# Allegro board POWERBOARD_V1_11_20240516.brd (continued)
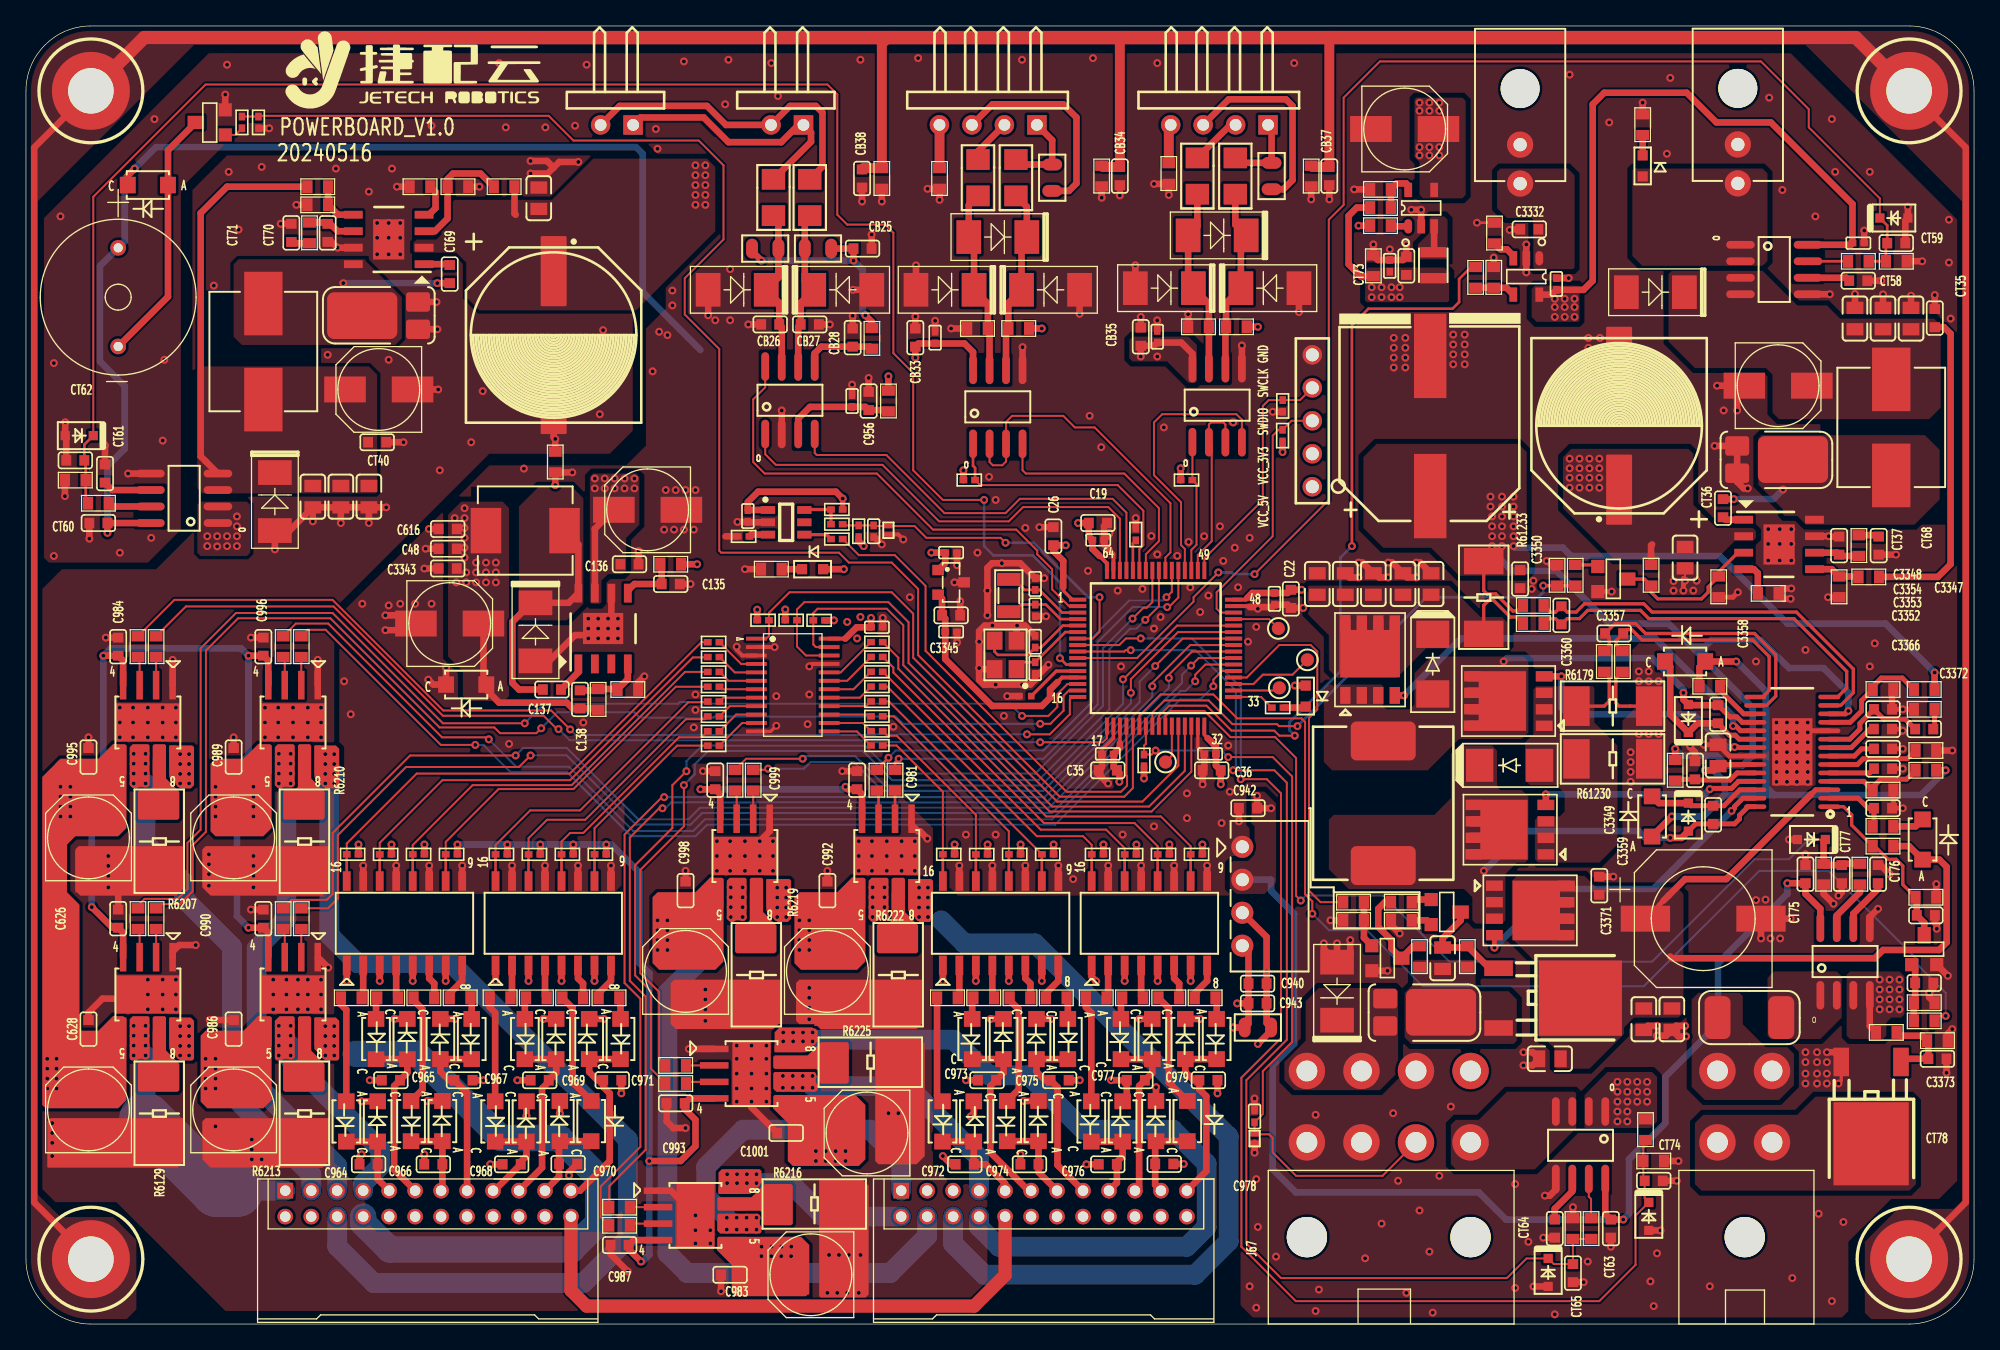
[diagram p0: board, top side]
## Footprints (pads in the part's own frame, mm; a bottom-side part is the same pattern mirrored in y, then rotated)
B0505S-1WR3
  round 1.7 hole 1: 1(-3.81,0) 2(-1.27,0) 3(1.27,0) 4(3.81,0)
BEEPER12X7P6
  round 1.2 hole 0.7: 1(0,3.8) 2(0,-3.8)
C0402
  rect 0.599x0.5 smd: 1(-0.452,0) 2(0.452,0)
C0603
  rect 0.762x0.813 smd: 1(-0.698,0) 2(0.698,0)
C0805
  rect 0.95x1.3 smd: 1(-0.825,0) 2(0.825,0)
CSMT_12P5_12P5
  custom 5.4x2 smd: 1(-4.925,0) 2(4.925,0)
DFN8_5X6
  rect 0.8x1.3 smd: 1(-1.905,-3.65) 2(-0.635,-3.65) 3(0.635,-3.65) 4(1.905,-3.65) 5(-1.899,1.9) 6(-0.629,1.872) 7(0.641,1.872) 8(1.906,1.872)
  custom 4.6x4.501 smd: 9(0.001,0)
DFN1006
  rect 0.35x0.65 smd: 1(-0.325,0) 2(0.325,0)
ELQ3H7_TA
  rect 1.5x0.6 smd: 1(-3.25,4.445) 2(-3.25,3.175) 3(-3.25,1.905) 4(-3.25,0.635) 5(-3.25,-0.635) 6(-3.25,-1.905) 7(-3.25,-3.175) 8(-3.25,-4.445) 9(3.25,-4.445) 10(3.25,-3.175) 11(3.25,-1.905) 12(3.25,-0.635) 13(3.25,0.635) 14(3.25,1.905) 15(3.25,3.175) 16(3.25,4.445)
FB0402
  rect 0.508x0.508 smd: 1(-0.457,0) 2(0.457,0)
FUSE1206
  rect 1.6x1.801 smd: 1(-1.4,0) 2(1.4,0)
HSOP-8-EP
  rect 0.5x2.2 smd: 1(-1.905,-2.875) 2(-0.635,-2.875) 3(0.635,-2.875) 4(1.905,-2.875) 5(1.905,2.875) 6(0.635,2.875) 7(-0.635,2.875) 8(-1.905,2.875)
  rect 4.9x2.95 smd: 9(0,0)
HTSSOP28
  oval 0.35x1.7 smd: 1(0,0) 2(0.65,0) 3(1.3,0) 4(1.95,0) 5(2.6,0) 6(3.25,0) 7(3.9,0) 8(4.55,0) 9(5.2,0) 10(5.85,0) 11(6.5,0) 12(7.15,0) 13(7.8,0) 14(8.45,0) 15(8.45,5.7) 16(7.8,5.7) 17(7.15,5.7) 18(6.5,5.7) 19(5.85,5.7) 20(5.2,5.7) 21(4.55,5.7) 22(3.9,5.7) 23(3.25,5.7) 24(2.6,5.7) 25(1.95,5.7) 26(1.3,5.7) 27(0.65,5.7) 28(0,5.7)
  rect 5.18x3.1 smd: 29(4.225,2.85)
HX30002-2WA
  round 3 hole 3 unplated: (0,-7.32)
  round 2.02 hole 1.02: 1(0,0) 2(0,-3)
HX30002-4WA
  round 3.1 hole 3.1: (2.1,-12.8)
  round 2.8 hole 1.6: 1(0,0) 2(0,-5.5) 3(4.2,0) 4(4.2,-5.5)
HX30002-8WA
  round 3.1 hole 3.1: (0,-12.8) (12.6,-12.8)
  round 2.8 hole 1.6: 1(0,0) 2(0,-5.5) 3(4.2,0) 4(4.2,-5.5) 5(8.4,0) 6(8.4,-5.5) 7(12.6,0) 8(12.6,-5.5)
JUMPER2P54_1X5
  round 1.5 hole 1: 1(-5.08,0) 2(-2.54,0) 3(0,0) 4(2.54,0) 5(5.08,0)
L6P6X7P0
  rect 2.35x3.5 smd: 1(-3.025,0) 2(3.025,0)
L9P2X8P0
  rect 4.9x2.95 smd: 1(-3.7,0) 2(3.7,0)
L11P6X10P1
  custom 3x5 smd: 1(0,0) 2(9.6,0)
L2520
  rect 2x0.8 smd: 1(0,0) 2(0,-2)
LED0603
  rect 0.787x0.787 smd: 1(0.813,0) 2(-0.813,0)
LQFP64
  rect 1.321x0.305 smd: 1(-6,3.75) 2(-6,3.25) 3(-6,2.75) 4(-6,2.25) 5(-6,1.75) 6(-6,1.25) 7(-6,0.75) 8(-6,0.25) 9(-6,-0.25) 10(-6,-0.75) 11(-6,-1.25) 12(-6,-1.75) 13(-6,-2.25) 14(-6,-2.75) 15(-6,-3.25) 16(-6,-3.75) 33(6,-3.75) 34(6,-3.25) 35(6,-2.75) 36(6,-2.25) 37(6,-1.75) 38(6,-1.25) 39(6,-0.75) 40(6,-0.25) 41(6,0.25) 42(6,0.75) 43(6,1.25) 44(6,1.75) 45(6,2.25) 46(6,2.75) 47(6,3.25) 48(6,3.75)
  rect 0.305x1.321 smd: 17(-3.75,-6) 18(-3.25,-6) 19(-2.75,-6) 20(-2.25,-6) 21(-1.75,-6) 22(-1.25,-6) 23(-0.75,-6) 24(-0.25,-6) 25(0.25,-6) 26(0.75,-6) 27(1.25,-6) 28(1.75,-6) 29(2.25,-6) 30(2.75,-6) 31(3.25,-6) 32(3.75,-6) 49(3.75,6) 50(3.25,6) 51(2.75,6) 52(2.25,6) 53(1.75,6) 54(1.25,6) 55(0.75,6) 56(0.25,6) 57(-0.25,6) 58(-0.75,6) 59(-1.25,6) 60(-1.75,6) 61(-2.25,6) 62(-2.75,6) 63(-3.25,6) 64(-3.75,6)
MEHOLE
  round 6 hole 3.5: 1(0,0)
OSCON_6P6_6P6
  rect 3.2x2 smd: 1(-2.6,0) 2(2.6,0)
OSCON_10P0_10P0
  rect 3.8x2 smd: 1(-4.45,0) 2(4.45,0)
OSCON_12P5_12P5
  rect 6.5x2.5 smd: 1(0,0) 2(10.8,0)
PH-4AW
  rect 1.5x1.5 hole 0.9: 1(0,0)
  round 1.5 hole 0.9: 2(2.5,0) 3(5,0) 4(7.5,0)
PHB_2MM_12X2P
  rect 1.2x1.2 hole 0.8: 1(0,0)
  round 1.2 hole 0.8: 2(0,-2) 3(2,0) 4(2,-2) 5(3.996,-0.003) 6(4,-2) 7(6,0) 8(6,-2) 9(8,0) 10(8,-2) 11(10,0) 12(10,-2) 13(12,0) 14(12,-2) 15(14,0) 16(14,-2) 17(16,0) 18(16,-2) 19(18,0) 20(18,-2) 21(20,0) 22(20,-2) 23(22,0) 24(22,-2)
R0402
  rect 0.599x0.5 smd: 1(-0.452,0) 2(0.452,0)
R0603
  rect 0.79x0.991 smd: 1(-0.8,0) 2(0.8,0)
R0805
  oval 0.914x1.524 smd: 1(-1.016,0) 2(1.016,0)
R2512
  rect 2.032x3.048 smd: 1(-2.8,-0.01) 2(2.8,-0.01)
SMA
  rect 2.108x2.54 smd: 1(4.603,0) 2(0,0)
SMB
  rect 2.591x1.905 smd: 1(0,-2.235) 2(0,2.235)
SMD
  custom 2x3.3 smd: 1(0,0) 2(4.9,0)
SMD3215-2P
  rect 1x1.8 smd: 1(-1.25,0) 2(1.25,0)
SOD123FL
  rect 1.219x1.27 smd: 1(-1.549,0) 2(1.549,0)
SOD123L
  rect 1.219x1.27 smd: 1(-1.549,0) 2(1.549,0)
SOD323
  rect 0.711x0.711 smd: 1(1.079,0) 2(-1.079,0)
SOIC8
  oval 0.6x2.2 smd: 1(-1.905,-2.6) 2(-0.635,-2.6) 3(0.635,-2.6) 4(1.905,-2.6) 5(1.905,2.6) 6(0.635,2.6) 7(-0.635,2.6) 8(-1.905,2.6)
SOIC8EP
  rect 1.45x0.6 smd: 1(-2.725,1.905) 2(-2.725,0.635) 3(-2.725,-0.635) 4(-2.725,-1.905) 5(2.725,-1.905) 6(2.725,-0.635) 7(2.725,0.635) 8(2.725,1.905)
  rect 2.4x3.1 smd: 9(0,0)
SOIC8N
  oval 0.6x2.2 smd: 1(-1.905,-2.85) 2(-0.635,-2.85) 3(0.635,-2.85) 4(1.905,-2.85) 5(1.905,2.85) 6(0.635,2.85) 7(-0.635,2.85) 8(-1.905,2.85)
SOT23-3
  rect 0.8x0.9 smd: 1(-0.95,-1) 2(0.95,-1) 3(0,1)
SOT23-5
  oval 1.1x0.6 smd: 1(-1.4,1)
  rect 1.1x0.6 smd: 2(-1.4,0) 3(-1.4,-1) 4(1.4,-1) 5(1.4,1)
SOT23-6
  rect 1.1x0.6 smd: 1(1.4,-0.95) 2(1.4,0) 3(1.4,0.95) 4(-1.4,0.95) 5(-1.4,0) 6(-1.4,-0.95)
SOT_23
  rect 1.016x1.016 smd: 1(-0.965,-1.181) 2(0.965,-1.181)
  rect 1.016x1.27 smd: 3(0,1.081)
TO-252-2
  rect 1.2x2.2 smd: 1(0,0) 3(4.6,0)
  rect 5.8x6.4 smd: 2(2.3,6.3)
TO-277
  custom 1.85x1.5 smd: 1(0,0) 2(0,-2.1)
  custom 5.4x3.6 smd: 3(4.3,-1.05)
TP_SMT
  round 1.016 smd: 1(0,0)
TROQ_32X25
  rect 1.397x1.219 smd: 1(-1.1,-0.85) 2(1.1,-0.85) 3(1.1,0.85) 4(-1.1,0.85)
TSSOP24
  rect 1.6x0.3 smd: 1(-2.8,3.575) 2(-2.8,2.925) 3(-2.8,2.275) 4(-2.8,1.625) 5(-2.8,0.975) 6(-2.8,0.325) 7(-2.8,-0.325) 8(-2.8,-0.975) 9(-2.8,-1.625) 10(-2.8,-2.275) 11(-2.8,-2.925) 12(-2.8,-3.575) 13(2.8,-3.575) 14(2.8,-2.925) 15(2.8,-2.275) 16(2.8,-1.625) 17(2.8,-0.975) 18(2.8,-0.325) 19(2.8,0.325) 20(2.8,0.975) 21(2.8,1.625) 22(2.8,2.275) 23(2.8,2.925) 24(2.8,3.575)
YTC-A2501-02AW
  rect 1.5x1.5 hole 0.9: 1(0,0)
  round 1.5 hole 0.9: 2(2.5,0)

## Nets
12VGND: C626.2 C627.2 C628.2 C981.2 C982.2 C983.2 C984.2 C985.2 C986.2 C987.2 C988.2 C989.2 C990.2 C991.2 C992.2 C993.2 C994.2 C995.2 C996.2 C997.2 C998.2 C999.2 C1000.2 C1001.2 C3337.2 C3338.2 C3339.2 C3340.2 C3341.2 C3342.2 CT40.2 CT70.2 CT71.2 R6129.2 R6207.2 R6210.2 R6213.2 R6216.2 R6219.2 R6222.2 R6225.2 R6233.2 R6234.2 R6235.2 R6246.1 U3064.2 U3107.1 U3107.9 U3134.1 U3134.9 U3135.1 U3135.9 U3136.1 U3136.9 U3137.1 U3137.9 U3138.1 U3138.9 U3139.1 U3139.9 U3140.1 U3140.9 U3146.7 U3146.9 U3147.1 U3147.2
GND: C19.1 C20.1 C21.2 C22.2 C23.2 C25.2 C26.2 C27.2 C31.1 C33.2 C34.2 C35.2 C36.2 C48.2 C135.2 C136.2 C531.2 C564.2 C566.2 C611.2 C612.2 C616.2 C619.2 C942.2 C956.2 C1002.2 C1003.2 C3331.2 C3332.2 C3334.2 C3335.2 C3336.2 C3343.2 C3345.2 C3346.2 C3348.2 C3349.2 C3350.2 C3352.2 C3353.2 C3354.2 C3355.2 C3356.2 C3361.2 C3362.2 C3363.2 C3364.2 C3365.2 C3366.2 C3367.2 C3368.2 C3369.2 C3370.2 C3371.2 C3372.2 C3373.2 CB22.2 CB24.2 CB25.2 CB26.2 CB27.2 CB28.2 CB30.2 CB33.2 CB34.1 CB35.2 CB36.2 CB37.1 CB38.1 CT35.2 CT37.2 CT56.2 CT57.2 CT58.2 CT59.2 CT60.2 CT61.2 CT62.2 CT63.2 CT64.2 CT65.2 CT67.2 CT68.2 CT72.2 CT73.2 CT74.2 CT75.2 CT76.2 CT77.2 CT78.2 D832.2 DT46.2 DT71.2 DT74.1 DT78.2 DT79.1 DT80.1 DT81.1 DT82.1 DT83.2 ESD9.2 ESD10.2 FB1.1 J67.2 J67.4 J67.5 J68.2 J69.2 J71.5 Q11.2(E) Q12.2(E) Q13.2(E) Q15.2(E) R35.2 R68.2 R343.2 R806.2 R6171.2 R6179.2 R6200.2 R6202.2 R6204.2 R6227.2 R6229.2 R6241.2 R6242.2 R6244.2 R6245.2 R6246.2 R6249.2 R61217.2 R61218.2 R61220.2 R61221.2 R61224.2 R61227.2 R61228.1 R61230.2 R61235.2 R61238.2 R61239.2 R61243.2 R61246.2 RT85.2 U7.2 U16.2 U16.4(GND#4) U61.9(EMITTER4) U61.11 U61.13 U61.15 U3018.2 U3054.2 U3056.7 U3056.9 U3118.2 U3119.18 U3119.31 U3119.47 U3119.63 U3132.5 U3144.1 U3144.2 U3148.5 U3149.5 U3150.2 U3151.9(EMITTER4) U3151.11 U3151.13 U3151.15 U3152.9(EMITTER4) U3152.11 U3152.13 U3152.15 U3153.9(EMITTER4) U3153.11 U3153.13 U3153.15 U3154.6 U3154.9 U3155.3 U3156.10 U3156.22 U3156.29 U3161.5 U3162.3 UT22.2 UT23.1 UT25.2 UT25.3 UT25.12(VSS) UT25.21 UT44.5 UT52.2 UT107.2 UT108.2 UT109.2 UT110.1(CATHODE) UT112.2 UT114.5 UT116.2 UT117.2 UT118.2 UT119.2 UT120.2 UT121.2
GND_ISO: C940.2 C943.2 C964.2 C965.2 C966.2 C967.2 C968.2 C969.2 C970.2 C971.2 C972.2 C973.2 C974.2 C975.2 C976.2 C977.2 C978.2 C979.2 J74.10 J74.12 J74.14 J74.16 J74.18 J74.20 J74.22 J74.24 J75.10 J75.12 J75.14 J75.16 J75.18 J75.20 J75.22 J75.24 R6151.2 UT23.3 UT85.1(CATHODE) UT86.1(CATHODE) UT87.1(CATHODE) UT88.1(CATHODE) UT89.1(CATHODE) UT90.1(CATHODE) UT91.1(CATHODE) UT92.1(CATHODE) UT93.1(CATHODE) UT94.1(CATHODE) UT95.1(CATHODE) UT96.1(CATHODE) UT97.1(CATHODE) UT98.1(CATHODE) UT99.1(CATHODE) UT100.1(CATHODE)
PGND: CB34.2 CB37.2 CB38.2 DT74.2 DT79.2 DT80.2 MH1.1 MH2.1 MH3.1 MH4.1
VCC_3V3: C19.2 C20.2 C21.1 C22.1 C26.1 C33.1 C34.1 C35.1 C36.1 C626.1 C981.1 C984.1 C987.1 C990.1 C993.1 C996.1 C999.1 CB22.1 CB30.1 CB33.1 CB35.1 CB36.1 CT56.1 CT72.1 CT73.1 D833.2 DT47.1 DT73.1 DT75.1 DT76.1 J71.2 L7.2 R254.1 R6128.1 R6183.2 R6184.2 R6185.2 R6186.2 R6187.2 R6188.2 R6189.2 R6190.2 R6191.2 R6192.2 R6193.2 R6194.2 R6195.2 R6196.2 R6197.2 R6198.2 R6240.1 R6242.1 R6250.1 RT72.1 RT170.1 RT172.1 RT173.1 U3107.4(VREF) U3119.1 U3119.19 U3119.32 U3119.48 U3119.64 U3134.4(VREF) U3135.4(VREF) U3136.4(VREF) U3137.4(VREF) U3138.4(VREF) U3139.4(VREF) U3140.4(VREF) UT22.1 UT25.24 UT44.8(VCC) UT114.8(VCC)
VCC_5V: C48.1 C138.1 C616.1 C619.1 C942.1 C1002.1 C3331.1 C3343.1 CT57.1 CT60.1 CT63.1 CT67.1 CT75.1 D835.2 D836.1 DB51.1 J71.1 L3.2 R71.1 R6239.1 U7.4 U9.1 U3018.5 U3132.8(VCC) U3148.8(VCC) U3149.8(VCC) U3155.1 U3161.8(VCC) UT23.2 UT110.2
VCC_5V_OUTPUT: C3332.1 J69.1 U3018.1(OUT)
VCC_12V_B: C1003.1 C3334.1 C3335.1 C3336.1 CT35.1 L5.2 R342.1 U3148.3 U3148.4 U3150.1(CATHODE)
VCC_12V_OUTPUT: D834.2 J68.1 U3148.1 U3148.2
VCC_28V5_INPUT: J67.1 J67.3 U3054.1(CATHODE) U3141.1 U3141.2
VCC_ISO: C940.1 C943.1 R6151.1 U61.1 U61.3 U61.5 U61.7 U3151.1 U3151.3 U3151.5 U3151.7 U3152.1 U3152.3 U3152.5 U3152.7 U3153.1 U3153.3 U3153.5 U3153.7 UT23.4(VO)
ADC_12V_CURRENT: CT59.1 R6199.2 R6200.1 U3119.10 UT108.1(CATHODE)
ADC_SYSTEM_CURRENT: CT65.1 R6203.2 R6204.1 U3119.9 UT107.1(CATHODE)
ADC_SYSTEM_VOLTAGE: CT74.1 R6248.2 R6249.1 U3119.8 UT120.1(CATHODE)
ADC_VBAT_CHAG_CURRENT: CT77.1 R61237.2 R61238.1 U3119.26 UT121.1(CATHODE)
ADC_VM_CURRENT: CT62.1 R6201.2 R6202.1 U3119.11 UT109.1(CATHODE)
BAT_5S+: U3161.1 U3161.2 UB17.1
BEEPER: R6170.1 R6171.1 U3119.21
BEEPER-: D836.2 Q12.3 U9.2
CAN+: J70.1 J77.1 UB13.2
CAN-: J70.2 J77.2 UB14.2
CAN_STB: U3118.8 U3119.2
CANRX: U3118.4 U3119.61
CANTX: U3118.1 U3119.62
INT#: RT170.2 U3119.28 UT25.1
KEY: C612.1 ESD10.1 J67.6 R6250.2 U3119.23
LM5176_EN: R61240.1 U3119.22
LM5176_VIN_EN: R61247.1 U3119.36
MOTOR_IN1_0: R6131.1 U3119.14
MOTOR_IN1_1: R6206.1 U3119.16
MOTOR_IN1_2: R6209.1 U3119.38
MOTOR_IN1_3: R6212.1 U3119.40
MOTOR_IN1_4: R6215.1 U3119.42
MOTOR_IN1_5: R6218.1 U3119.44
MOTOR_IN1_6: R6221.1 U3119.54
MOTOR_IN1_7: R6224.1 U3119.57
MOTOR_IN2_0: R6130.1 U3119.15
MOTOR_IN2_1: R6205.1 U3119.17
MOTOR_IN2_2: R6208.1 U3119.37
MOTOR_IN2_3: R6211.1 U3119.39
MOTOR_IN2_4: R6214.1 U3119.41
MOTOR_IN2_5: R6217.1 U3119.43
MOTOR_IN2_6: R6220.1 U3119.53
MOTOR_IN2_7: R6223.1 U3119.56
MOTOR_OUT1_0: J74.1 U3107.6
MOTOR_OUT1_1: J74.3 U3134.6
MOTOR_OUT1_2: J74.5 U3135.6
MOTOR_OUT1_3: J74.7 U3136.6
MOTOR_OUT1_4: J75.1 U3137.6
MOTOR_OUT1_5: J75.3 U3138.6
MOTOR_OUT1_6: J75.5 U3139.6
MOTOR_OUT1_7: J75.7 U3140.6
MOTOR_OUT2_0: J74.2 U3107.8
MOTOR_OUT2_1: J74.4 U3134.8
MOTOR_OUT2_2: J74.6 U3135.8
MOTOR_OUT2_3: J74.8 U3136.8
MOTOR_OUT2_4: J75.2 U3137.8
MOTOR_OUT2_5: J75.4 U3138.8
MOTOR_OUT2_6: J75.6 U3139.8
MOTOR_OUT2_7: J75.8 U3140.8
MOTOR_POS_CON_0: C964.1 D816.1 J74.9 UT85.2
MOTOR_POS_CON_1: C965.1 D817.1 J74.11 UT86.2
MOTOR_POS_CON_2: C966.1 D818.1 J74.13 UT87.2
MOTOR_POS_CON_3: C967.1 D819.1 J74.15 UT88.2
MOTOR_POS_CON_4: C968.1 D820.1 J74.17 UT89.2
MOTOR_POS_CON_5: C969.1 D821.1 J74.19 UT90.2
MOTOR_POS_CON_6: C970.1 D822.1 J74.21 UT91.2
MOTOR_POS_CON_7: C971.1 D823.1 J74.23 UT92.2
MOTOR_POS_CON_8: C972.1 D824.1 J75.9 UT93.2
MOTOR_POS_CON_9: C973.1 D825.1 J75.11 UT94.2
MOTOR_POS_CON_10: C974.1 D826.1 J75.13 UT95.2
MOTOR_POS_CON_11: C975.1 D827.1 J75.15 UT96.2
MOTOR_POS_CON_12: C976.1 D828.1 J75.17 UT97.2
MOTOR_POS_CON_13: C977.1 D829.1 J75.19 UT98.2
MOTOR_POS_CON_14: C978.1 D830.1 J75.21 UT99.2
MOTOR_POS_CON_15: C979.1 D831.1 J75.23 UT100.2
MOTOR_POSITION0: R6183.1 RT142.2 U61.16
MOTOR_POSITION1: R6184.1 RT143.2 U61.14
MOTOR_POSITION2: R6185.1 RT144.2 U61.12
MOTOR_POSITION3: R6186.1 RT145.2 U61.10
MOTOR_POSITION4: R6187.1 RT146.2 U3151.16
MOTOR_POSITION5: R6188.1 RT147.2 U3151.14
MOTOR_POSITION6: R6189.1 RT148.2 U3151.12
MOTOR_POSITION7: R6190.1 RT149.2 U3151.10
MOTOR_POSITION8: R6191.1 RT150.2 U3152.16
MOTOR_POSITION9: R6192.1 RT151.2 U3152.14
MOTOR_POSITION10: R6193.1 RT152.2 U3152.12
MOTOR_POSITION11: R6194.1 RT153.2 U3152.10
MOTOR_POSITION12: R6195.1 RT154.2 U3153.16
MOTOR_POSITION13: R6196.1 RT155.2 U3153.14
MOTOR_POSITION14: R6197.1 RT156.2 U3153.12
MOTOR_POSITION15: R6198.1 RT157.2 U3153.10
NRST: C531.1 ESD9.1 R254.2 RT71.2 U3119.7
PWR_5V_EN: R6226.2 U3119.25
PWR_12V_EN: DT70.1 DT71.1 U3119.24
RS485_1+: J72.1 R6238.1 UB11.2
RS485_1-: J72.2 UB12.2
RS485_1_120OHM: J72.3 R6238.2
RS485_1_GND: DT82.2 J72.4
RS485_2+: J76.1 R6237.1 UB15.2
RS485_2-: J76.2 UB16.2
RS485_2_120OHM: J76.3 R6237.2
RS485_2_GND: DT81.2 J76.4
RS485_EN_0: U3119.55 UT44.2 UT44.3
RS485_EN_1: U3119.50 UT114.2 UT114.3
RS485_RXD0: DT73.2 U3119.59 UT44.1
RS485_RXD1: DT75.2 U3119.51 UT114.1
RS485_TXD0: U3119.58 UT44.4
RS485_TXD1: U3119.52 UT114.4
SCL: RT172.2 U3119.29 UT25.22
SDA: RT173.2 U3119.30 UT25.23
SWCLK: J71.4 R61217.1 U3119.49
SWDIO: J71.3 R6128.2 U3119.46
V_SYSTEM: C136.1 C564.1 C566.1 C611.1 C3337.1 C3338.1 DT84.1 R69.1 R807.1 R6230.1 R6248.1 U3056.2(VIN) U3146.2(VIN) U3149.1 U3149.2 U3154.7 U3161.3 U3161.4
VB: C3355.1 D837.2 D838.2 R61225.2 R61226.1 U3156.23
VM_12V: C627.1 C628.1 C982.1 C983.1 C985.1 C986.1 C988.1 C989.1 C991.1 C992.1 C994.1 C995.1 C997.1 C998.1 C1000.1 C1001.1 U3107.5 U3132.1 U3132.2 U3134.5 U3135.5 U3136.5 U3137.5 U3138.5 U3139.5 U3140.5
VM_12V_B: C3339.1 C3340.1 C3341.1 C3342.1 CT40.1 L6.2 R6231.1 U3064.1(CATHODE) U3132.3 U3132.4
VSYSTEM_PWR+: C3350.1 C3356.1 J67.7 R61222.1 R61223.1 R61231.1 R61233.1 U3156.12(VOSNS)
VSYSTEM_PWR-: J67.8 U3149.3 U3149.4
WDI: RT84.2 U3119.20
N17288920: R342.2 R343.1 U3056.5
N17289153: CT36.2 L5.1 U3056.8 U3144.3
N17497757: R806.1 U3056.4
N17497846: CT36.1 U3056.1
N17497908: CT37.1 R6228.1 U3056.6
N17498114: Q11.3 R807.2 R6229.1 U3056.3
N17582853: C137.2 D832.1 L3.1 U3154.8
N17582911: C138.2 R68.1 R71.2 U3154.4(VSENSE)
N17582985: C135.1 R69.2 U3154.5
N17722812: R6129.1 U3107.7
N17722891: R6130.2 U3107.2
N17722916: R6131.2 U3107.3
N17752960: CB25.1 DB49.2 R6168.2 R6169.2
N17752964: CB26.1 R6168.1 U3118.7 UB13.1 UT118.1(CATHODE)
N17753021: CB27.1 R6169.1 U3118.6 UB14.1 UT119.1(CATHODE)
N17753463: C956.1 CB24.1 DB51.2 U3118.3(VCC)
N17754967: CB28.1 DB49.1 U3118.5
N17767690: RT71.1 RT72.2 UT22.6
N17767719: RT85.1 UT22.3
N17767723: RT84.1 UT22.4
N17785104: R35.1 U3119.60
N17785289: C23.1 U3119.3 Y1.2
N17785413: C25.1 U3119.4 Y1.1
N17785451: TP37.1(TP) U3119.45
N17785458: C27.1 U16.3 U3119.5
N17785469: C31.2 U16.1 U3119.6
N17785612: TP35.1(TP) U3119.35
N17785630: TP34.1(TP) U3119.34
N17785649: R6243.2 U3119.33
N17785694: TP38.1(TP) U3119.27
N17789474: D816.2 RT138.1
N17789476: RT138.2 U61.2
N17789610: D817.2 RT139.1
N17789612: RT139.2 U61.4
N17789746: D818.2 RT140.1
N17789748: RT140.2 U61.6
N17789847: D819.2 RT141.1
N17789849: RT141.2 U61.8
N17789893: RT142.1 UT25.4
N17790019: RT143.1 UT25.5
N17790046: RT144.1 UT25.6
N17790072: RT145.1 UT25.7
N17790099: RT146.1 UT25.8
N17790120: RT147.1 UT25.9
N17790141: RT148.1 UT25.10
N17790162: RT149.1 UT25.11
N17790183: RT150.1 UT25.13
N17790204: RT151.1 UT25.14
N17790225: RT152.1 UT25.15
N17790246: RT153.1 UT25.16
N17790267: RT154.1 UT25.17
N17790288: RT155.1 UT25.18
N17790313: RT156.1 UT25.19
N17790353: RT157.1 UT25.20
N17791056: D820.2 RT158.1
N17791058: RT158.2 U3151.2
N17791159: D821.2 RT159.1
N17791161: RT159.2 U3151.4
N17791262: D822.2 RT160.1
N17791264: RT160.2 U3151.6
N17791365: D823.2 RT161.1
N17791367: RT161.2 U3151.8
N17791726: RT162.2 U3152.2
N17791827: D825.2 RT163.1
N17791829: RT163.2 U3152.4
N17791930: D826.2 RT164.1
N17791932: RT164.2 U3152.6
N17792033: D827.2 RT165.1
N17792035: RT165.2 U3152.8
N17792465: D828.2 RT166.1
N17792467: RT166.2 U3153.2
N17792568: D829.2 RT167.1
N17792570: RT167.2 U3153.4
N17792671: D830.2 RT168.1
N17792673: RT168.2 U3153.6
N17792776: RT169.2 U3153.8
N17805070: CT58.1 U3148.6
N17805232: R6199.1 U3148.7
N17808368: R6201.1 U3132.7
N17808418: CT61.1 U3132.6
N17810117: R6203.1 U3149.7
N17810173: CT64.1 U3149.6
N17813079: R6205.2 U3134.2
N17813081: R6207.1 U3134.7
N17813105: R6206.2 U3134.3
N17813295: R6208.2 U3135.2
N17813297: R6210.1 U3135.7
N17813321: R6209.2 U3135.3
N17813532: R6211.2 U3136.2
N17813534: R6213.1 U3136.7
N17813558: R6212.2 U3136.3
N17813789: R6214.2 U3137.2
N17813791: R6216.1 U3137.7
N17813815: R6215.2 U3137.3
N17814068: R6217.2 U3138.2
N17814070: R6219.1 U3138.7
N17814094: R6218.2 U3138.3
N17814367: R6220.2 U3139.2
N17814369: R6222.1 U3139.7
N17814393: R6221.2 U3139.3
N17814689: R6223.2 U3140.2
N17814691: R6225.1 U3140.7
N17814715: R6224.2 U3140.3
N17815777: C3345.1 C3346.1 U3119.13 U3155.2(OUT)
N17818210: DT70.2 Q11.1
N17822009: J66.1 J66.3 UB17.2
N17822042: J66.2 J66.4 U3162.2(SOURCE)
N17832147: R6227.1 U3018.3
N17832174: R6226.1 R61218.1 U3018.4
N17849896: CT68.1 R6228.2
N17856101: CT69.1 U3146.1
N17856105: CT69.2 L6.1 U3146.8 U3147.3
N17856202: R6230.2 R6233.1 U3146.3
N17856265: CT70.1 R6232.1 U3146.6
N17856271: CT71.1 R6232.2
N17856290: R6231.2 R6235.1 U3146.5
N17856294: R6234.1 U3146.4
N17865409: D824.2 RT162.1
N17865617: D831.2 RT169.1
N17870209: DT47.2 UB11.1 UT44.6 UT52.1(CATHODE) UT113.1(CATHODE)
N17870224: DT46.1 UB12.1 UT44.7 UT112.1(CATHODE) UT113.2
N17870847: DT76.2 UB15.1 UT114.6 UT115.1(CATHODE) UT117.1(CATHODE)
N17870890: DT78.1 UB16.1 UT114.7 UT115.2 UT116.1(CATHODE)
N17903718: C137.1 U3154.1
N17906431: L7.1 U7.3(LX)
N17906467: R6239.2 U7.1
N17906521: R6240.2 R6241.1 U7.5
N17947679: Q12.1 R6170.2
N17954483: D833.1 R6243.1
N17975796: FB1.2 U3119.12(VSSA)
N18034986: C3347.1 C3348.1 U3156.9
N18034989: C3347.2 R61220.1
N18035348: R61221.1 R61222.2 U3156.11
N18035491: C3349.1 R61223.2 U3156.24
N18035717: C3352.1 U3156.5
N18035828: C3353.1 U3156.7
N18035888: C3354.1 U3156.8
N18036234: R61224.1 U3156.6
N18036340: R61225.1 U3156.17
N18036363: R61226.2 R61227.1 U3156.4
N18041622: C3357.1 R61228.2 U3156.15
N18041627: C3357.2 R61229.2 U3156.16
N18041825: D839.2 R6179.1 R61229.1 R61230.1 U3157.1 U3157.2 U3157.3 U3158.1 U3158.2 U3158.3
N18041939: U3156.21 U3157.4
N18042212: C3358.2 D837.1 U3156.20 VD2.1
N18042231: U3156.25 U3158.4
N18042240: C3358.1 D840.2 L4.1 U3156.18 U3157.5 U3157.6 U3157.7 U3157.8 U3157.9 U3160.1 U3160.2 U3160.3 VD2.2
N18042684: C3359.1 D839.1 L4.2 U3156.28 U3158.5 U3158.6 U3158.7 U3158.8 U3158.9 U3159.1 U3159.2 U3159.3 VD3.2
N18042722: C3359.2 D838.1 U3156.26 VD3.1
N18043046: U3156.27 U3159.4
N18043158: C3367.1 C3368.1 C3369.1 C3370.1 C3371.1 D841.2 R61234.1 U3156.3 U3159.5 U3159.6 U3159.7 U3159.8 U3159.9 U3163.2
N18043231: U3156.19 U3160.4
N18043402: C3360.1 R61231.2 U3156.13
N18043424: C3360.2 R61232.2 U3156.14
N18043426: C3361.1 C3362.1 C3363.1 C3364.1 C3365.1 D840.1 R61232.1 R61233.2 U3160.5 U3160.6 U3160.7 U3160.8 U3160.9
N18043814: D841.1 R61236.1
N18045091: C3366.1 R61236.2 U3156.2
N18046306: C3372.1 Q13.3 R61234.2 R61235.1 U3156.1
N18051649: R61237.1 U3161.7
N18051707: CT76.1 U3161.6
N18052554: CT78.1 DT83.1 DT84.2 U3162.1
N18054344: C3373.1 Q13.1 R61239.1 R61240.2
N18056299: C3376.2 Q14.3 R61245.2 U3163.1
N18056316: Q14.1 R61241.2
N18056336: Q14.2(E) R61243.1
N18057217: Q15.3 R61241.1 R61244.2
N18057230: Q15.1 R61246.1 R61247.2
N18057626: C3376.1 R61244.1 R61245.1 U3141.3 U3163.3
N179110980: D834.1 R6244.1
N179116900: D835.1 R6245.1

Pads without a net: U3154 2 3; UT22 5

## Via types
v1: diameter 0.61, hole 0.305, TOP to BOTTOM, 1175 vias

## Routing (per net, layer and track width the routed paths; a pad name or vN(x,y) marks a point on that pad's centre or on a via; arc(x,y) is an arc through that point)
12VGND: length 89.4
  TOP w0.203: v1(20.05,25.39) v1(19.04,25.39)
  TOP w0.508: U3146.7 v1(23.99,82.92) 23.55,83.36 CT70.2 ; C3337.2 40.63,68.31 v1(40.76,68.19) R6246.1 ; C3337.2 v1(38.37,71.26) ; C3337.2 v1(42.28,71.26) ; U3147.1 v1(31.68,76.64) ; C3341.2 v1(26.4,61.71) ; C3341.2 C3340.2 ; C3341.2 v1(27.74,62.92) ; v1(46.34,4.05) 45.01,5.38 C987.2 ; C989.2 v1(15.99,45.2) ; C990.2 v1(17.32,31.93) ; CT71.2 v1(19.61,84.76) ; U3140.1 v1(51.04,21.2) ; C984.2 v1(6.15,52.88) ; U3147.2 v1(31.61,78.74) ; C3340.2 v1(24.25,61.71) ; C3340.2 C3342.2 ; v1(50.79,15.1) 49.84,15.1 49.33,15.61 C993.2 ; v1(38.85,89.6) 40.12,89.6 40.63,89.09 ; v1(13.07,29.2) 11.8,29.2 11.29,28.69 U3107.1 ; C998.2 v1(50.79,34.91) ; C1001.2 55.87,16.69 v1(55.87,17.13) v1(55.87,18.15) v1(55.87,19.29) ; R6233.2 v1(34.91,87.62) ; C3342.2 20.29,61.12 U3064.2 v1(19.17,59.68) ; C3342.2 v1(22.09,61.84) ; 40.63,89.09 40.17,88.63 v1(38.85,88.63) ; 40.63,89.09 41.06,89.52 v1(42.53,89.52) ; U3136.1 v1(23.27,27.46) ; R6235.2 v1(20.82,86.22) ; U3134.1 v1(11.29,51.17) ; v1(9.39,25.39) 9.07,25.07 5.89,25.07 4.81,23.99 C628.2 ; C626.2 7.1,33.13 ; C992.2 v1(61.71,34.91) ; C986.2 v1(14.15,23.42) ; U3139.1 68.19,38.47 68.7,37.96 68.84,37.96 v1(69.4,37.4) ; C983.2 v1(53.52,2.53) ; U3138.1 57.27,37.96 v1(56.5,37.2) v1(55.36,36.06) ; C996.2 v1(17.32,52.88) ; R6234.2 v1(28.56,87.62) ; CT40.2 v1(29.07,67.93) ; U3137.1 49.65,10.27 v1(51.55,8.37) ; C999.2 v1(52.12,42.6) ; v1(62.85,42.6) C981.2 ; C995.2 v1(4.81,45.2) ; C3339.2 v1(31.74,72) ; U3135.1 v1(22.47,51.17)
  vias: v1(2.02,15.48) v1(2.02,14.72) v1(2.02,13.96) v1(2.02,12.94) v1(6.34,36.06) v1(6.34,35.29) v1(6.34,34.53) v1(6.34,33.64) v1(7.23,47.49) v1(7.23,46.34) v1(7.23,45.2) v1(8.24,47.49) v1(8.24,46.34) v1(8.24,45.2) v1(9.39,47.49) v1(9.39,46.34) v1(9.39,45.2) v1(9.39,26.53) v1(9.39,24.24) v1(10.53,47.49) v1(10.53,46.34) v1(10.53,45.2) v1(10.53,26.53) v1(10.53,25.39) v1(10.53,24.24) v1(11.55,47.49) v1(11.55,46.34) v1(11.55,45.2) v1(11.55,26.53) v1(11.55,25.39) v1(11.55,24.24) v1(14.09,36.18) v1(14.09,35.42) v1(14.09,34.66) v1(14.09,33.77) v1(14.47,80) v1(14.59,15.23) v1(15.61,88.76) v1(16.37,84.32) v1(17.39,14.21) v1(17.39,13.45) v1(17.39,12.69) v1(17.51,36.06) v1(17.51,35.29) v1(17.51,34.53) v1(17.51,33.64) v1(18.15,89.14) v1(18.15,12.69) v1(18.4,47.49) v1(18.4,46.34) v1(18.4,45.2) v1(19.04,26.53) v1(19.04,24.24) v1(19.42,47.49) v1(19.42,46.34) v1(19.42,45.2) v1(20.05,26.53) v1(20.05,24.24) v1(20.56,47.49) v1(20.56,46.34) v1(20.56,45.2) v1(20.94,26.53) v1(20.94,25.39) v1(20.94,24.24) v1(21.71,47.49) v1(21.71,46.34) v1(21.71,45.2) v1(21.71,26.53) v1(21.71,25.39) v1(21.71,24.24) v1(22.72,47.49) v1(22.72,46.34) v1(22.72,45.2) v1(22.72,26.53) v1(22.72,25.39) v1(22.72,24.24) v1(23.23,74.66) v1(23.86,89.01) v1(26.4,87.24) v1(27.04,84.82) v1(27.04,83.68) v1(27.04,82.41) v1(27.93,84.82) v1(27.93,83.68) v1(27.93,82.41) v1(27.93,74.28) v1(28.18,89.01) v1(28.82,84.82) v1(28.82,83.68) v1(28.82,82.41) v1(31.87,65.77) v1(34.28,67.93) v1(34.91,75.93) v1(35.17,71.87) v1(44.18,70.09) v1(44.44,76.57) v1(44.82,71.74) v1(51.55,7.23) v1(51.55,6.21) v1(52.31,25.77) v1(52.31,25.01) v1(52.31,24.24) v1(52.31,23.36) v1(52.69,7.23) v1(52.69,6.21) v1(53.2,37.2) v1(53.2,36.06) v1(53.2,34.91) v1(54.22,37.2) v1(54.22,36.06) v1(54.22,34.91) v1(54.73,21.45) v1(54.73,20.43) v1(54.73,19.29) v1(54.73,18.15) v1(54.73,17.13) v1(55.36,37.2) v1(55.36,34.91) v1(55.87,21.45) v1(55.87,20.43) v1(56.5,36.06) v1(56.5,34.91) v1(57.01,21.45) v1(57.01,20.43) v1(57.01,19.29) v1(57.01,18.15) v1(57.01,17.13) v1(57.52,37.2) v1(57.52,36.06) v1(57.52,34.91) v1(60.31,25.9) v1(60.31,25.13) v1(60.31,24.37) v1(60.31,23.48) v1(61.71,2.4) v1(61.84,5.32) v1(62.47,2.4) v1(62.6,5.32) v1(63.23,2.4) v1(63.36,5.32) v1(64.12,37.2) v1(64.12,36.06) v1(64.12,34.91) v1(64.12,2.4) v1(64.25,5.32) v1(65.14,37.2) v1(65.14,36.06) v1(65.14,34.91) v1(66.28,37.2) v1(66.28,36.06) v1(66.28,34.91) v1(66.41,16.24) v1(67.17,16.24) v1(67.43,37.2) v1(67.43,36.06) v1(67.43,34.91) v1(68.44,37.2) v1(68.44,36.06) v1(68.44,34.91)
GND: length 291.3
  TOP w0.152: C566.2 v1(127.75,57.26) ; v1(44.06,53.58) v1(43.3,53.58) ; v1(44.82,53.58) v1(45.58,53.58)
  TOP w0.203: R6227.2 v1(111.73,84.84)
  TOP w0.254: v1(139.56,18.53) 139.78,18.74 U3162.3 ; C34.2 90.23,44.41 U3119.31 ; R6179.2 123.54,47.6 122.67,47.6 122.42,47.86 122.42,49.73 R61228.1 ; v1(57.77,46.09) 57.34,45.65 UT25.12 ; C33.2 82.85,44.24 83.73,45.12 U3119.18
  TOP w0.305: U3119.63 83.73,59.34 83.43,59.65 ; U3119.47 94.15,55.31 94.22,55.23 ; ESD9.2 67.17,60.83 v1(67.55,60.44) ; UT25.3 55.15,51.5 54.73,51.93 v1(54.73,52.18) ; v1(60.31,50.66) 60.51,50.85 UT25.21 ; UT25.2 v1(57.65,52.15)
  TOP w0.381: 127.62,57.44 v1(127.62,56.5) ; R61220.2 v1(144.51,47.36) C3348.2 ; C3354.2 144.38,45.84 v1(144.51,45.71) ; U3156.10 137.32,45.71 v1(137.2,45.58) ; 118.02,58.23 117.64,58.23 v1(117.08,58.79) ; Q11.2 v1(122.1,56.43) ; v1(131.81,56.38) 131.43,55.99 R6229.2 ; C3352.2 v1(144.51,42.79) ; C3353.2 v1(144.51,44.31) ; U3156.22 131.16,43.76 C3355.2 v1(129.21,44.63) ; v1(144.51,39.74) C3366.2 143.79,39.84 R61227.2
  TOP w0.508: CT75.2 v1(137.02,36.18) ; U61.13 v1(28.51,35.32) ; R61239.2 146.55,25.17 v1(146.55,25.51) 146.86,25.83 C3373.2 ; v1(78.73,50.79) 78.02,50.08 C31.1 77.71,49.64 77.33,49.26 v1(76.7,49.26) v1(74.66,49.26) 73.75,49.26 73.39,49.62 v1(73.39,50.53) ; v1(127.82,22.16) 127.23,22.16 C3368.2 ; R6241.2 v1(102.27,87.41) ; v1(144.91,86.08) UT108.2 144.71,85.01 CT59.2 ; CT76.2 142.8,35.36 v1(143.5,34.66) ; CB34.1 v1(84.23,86.94) ; v1(107.05,58.66) 107.37,58.66 C3364.2 ; U3153.13 v1(85.87,35.32) ; U3148.5 v1(138.9,79.33) ; C19.1 83.02,61.49 C20.1 ; UT112.2 v1(68.53,81.56) ; C612.2 v1(94.6,17.38) ; v1(128.13,44.56) 128.13,44.44 128.51,44.06 C3349.2 ; U3162.3 139.78,20.43 139.27,20.94 v1(138.67,20.94) ; v1(73.39,50.53) v1(73.39,52.57) 73.39,53.38 73.83,53.81 v1(74.41,53.81) v1(76.32,53.81) ; v1(73.39,50.53) 73.48,50.45 U16.4 ; CB38.1 v1(64.38,86.47) ; DT78.2 v1(89.48,77.8) ; v1(76.32,53.81) 76.91,53.81 C27.2 ; v1(76.32,53.81) 76.28,53.77 U16.2 ; v1(107.05,57.52) 106.35,57.52 C3365.2 105.21,58.66 v1(104.89,58.66) ; U3154.9 43.93,53.07 42.28,53.07 40.3,51.09 D832.2 ; U3054.2 101.41,27.88 101.97,28.44 v1(101.97,29.58) ; U3054.2 99.94,28.89 v1(99.94,29.32) ; U3054.2 v1(100.95,29.32) ; v1(114.24,84.28) 114.29,84.33 C3332.2 ; CB37.1 v1(100.36,86.64) ; CB25.2 v1(65.11,83.93) ; U3161.5 141.97,31.36 v1(142.61,31.99) ; U3152.15 v1(71.87,35.32) ; UT52.2 v1(81.13,77.83) ; C3363.2 102.92,58.66 v1(102.6,58.66) ; v1(3.02,69.47) UT109.2 3.1,68.36 CT62.2 ; CB28.2 v1(63.65,77.67) ; v1(116.96,9.89) 117.34,9.89 117.8,10.35 U3149.5 ; CT61.2 v1(6.08,67.68) ; DT46.2 v1(71.24,76.7) ; U61.9 v1(33.59,35.32) ; R61235.2 v1(147.09,33.9) ; C48.2 v1(30.77,59.73) ; UT116.2 v1(85.42,81.56) ; U3152.13 v1(74.41,35.32) ; v1(147.13,30.45) 147.13,30.77 146.99,30.91 C3372.2 ; v1(86.86,87.83) DT81.1 v1(88,86.98) ; C20.1 83.43,60.82 v1(83.43,60.95) ; C20.1 83.02,60.06 83.43,59.65 ; v1(135.93,56.67) 135.33,56.67 R806.2 135.37,55.87 v1(135.88,55.87) ; R6244.2 v1(124.49,94.09) ; R6171.2 v1(18.73,92.12) ; v1(148.32,22.72) 147.98,22.38 DT83.2 ; v1(130.02,67.65) U3144.1 U3144.2 131.76,64.88 132.27,64.38 v1(132.58,64.38) ; v1(44.82,54.34) 45.07,54.6 U3154.6 ; C1002.2 v1(71.69,58.46) ; C135.2 v1(51.17,57.01) ; v1(131.76,70.38) 131.76,71.74 C1003.2 v1(130.21,72.29) ; U61.11 v1(31.05,35.32) ; R61221.2 143.69,48.78 C3348.2 ; R61238.2 138.42,33.14 v1(139.18,32.38) ; CB36.2 v1(87.1,77.32) ; R6204.2 v1(119.11,9) ; v1(106.29,83.17) CT73.2 106.04,81.97 CT72.2 104.1,81.97 R6242.2 v1(103.75,83.17) ; Q12.2 v1(15.34,94.72) ; C616.2 v1(31.03,61.25) ; U3132.5 v1(7.86,65.52) ; C25.2 v1(78.55,54.53) ; UT117.2 v1(98.02,77.97) ; CB22.2 v1(70,77.29) ; CB27.2 v1(61.9,77.01) ; RT85.2 53.87,60.68 ; v1(115.52,81.01) U3018.2 v1(115.52,83.17) ; CB35.2 v1(85.84,77.58) ; C34.2 90.72,42.78 C36.2 v1(90.6,41.58) ; R61217.2 v1(96,70.27) ; C3343.2 v1(30.67,58.2) ; U3155.3 v1(71.49,57.14) ; U3151.13 v1(39.97,35.32) ; R6245.2 v1(55.36,58.15) ; C956.2 v1(64.89,72.89) ; v1(30.98,49.64) 31.36,49.26 UT110.1 v1(32.35,50.56) ; v1(125.59,22.97) 124.89,22.97 C3369.2 ; C3368.2 126.29,22.21 v1(125.59,22.21) ; C3368.2 127.05,22.97 v1(127.75,22.97) ; v1(40.76,64.63) R6246.2 v1(42.06,65.61) ; C942.2 v1(93.4,38.72) ; 103.87,57.84 104.19,57.52 v1(104.89,57.52) ; CT74.2 v1(127.12,11.04) ; U3151.15 v1(37.43,35.32) ; DT79.1 v1(98.96,86.64) ; UT121.2 v1(135.75,37.33) ; v1(27.67,54.6) 29.39,54.6 C619.2 29.52,53.45 v1(27.67,53.45) ; CT77.2 139.82,33.26 v1(139.56,33.01) ; 94.22,55.23 95.95,55.23 C21.2 97.15,55.41 C22.2 v1(98.35,55.17) ; CT57.2 v1(141.54,84.24) ; C3336.2 v1(142.99,79.32) ; ESD10.2 v1(94.6,13.2) ; CT78.2 v1(147.88,19.35) ; CT63.2 v1(122.04,5.96) ; DT80.1 v1(65.9,86.47) ; U3153.11 v1(88.41,35.32) ; CT35.2 v1(146.98,79.27) ; Q15.2 v1(104.84,27.22) ; CT58.2 v1(142.86,80.38) ; CT68.2 v1(143.99,59.27) ; v1(115.3,19.93) 116,19.93 C3367.2 116,20.94 v1(115.3,20.94) ; R343.2 v1(138.76,55.99) ; v1(69.42,87.45) DT82.1 v1(70.35,86.6) ; v1(133.6,29.71) C3370.2 v1(135.88,31.23) ; U3056.7 v1(138.81,60.69) 138.84,60.67 CT37.2 ; CB26.2 v1(55.61,77.01) ; U3118.2 v1(58.19,70.38) ; v1(102.6,57.52) 101.91,57.52 C3361.2 ; C3334.2 v1(145.15,79.22) ; v1(105.78,30.09) 105.11,30.76 R61243.2 ; R61218.2 v1(113.02,82.16) ; U3152.11 v1(76.95,35.32) ; C136.2 v1(47.17,59.55) ; v1(83.33,41.64) 83.3,41.64 82.6,42.34 C35.2 82.85,42.9 C33.2 ; CT65.2 v1(119.94,3.23) ; CB24.2 v1(63.61,72.37) ; CT60.2 v1(4.88,60.5) ; R61246.2 v1(100.45,31.1) ; FB1.1 v1(75.55,48.37) ; UT107.2 v1(116.08,2.9) ; CT64.2 v1(116.83,6.66) ; v1(54.78,61.79) CT56.2 55.62,61.76 UT22.2 ; CB33.2 v1(68.48,77.62) ; U3151.11 v1(42.51,35.32) ; DT74.1 v1(82.83,86.77) ; U3152.9 v1(79.49,35.32) ; v1(47.61,49.9) 47.14,49.43 R68.2 ; U3153.9 v1(90.95,35.32) ; C3371.2 v1(122.23,34.47) ; R6249.2 v1(127.24,12.56) ; C26.2 v1(78.03,61.39) ; UT118.2 v1(52.53,77.71) ; U3151.9 v1(45.05,35.32) ; v1(78.4,57.46) C23.2 76.56,58.61 v1(75.14,58.61) 74.39,58.61 74.03,58.25 v1(74.03,56.5) v1(74.03,54.6) ; UT120.2 v1(125.86,7.21) ; v1(106.67,85.84) v1(107.43,85.84) U7.2 ; R6200.2 v1(146.01,81.87) ; U61.15 v1(25.97,35.32) ; U3153.15 v1(83.33,35.32) ; R6202.2 v1(3,63.78) ; R61224.2 v1(148.32,44.18) ; C3345.2 v1(71.93,55.68) ; v1(65.9,60.06) 65.34,60.62 C531.2 ; CT67.2 v1(118.79,80.58) ; CB30.2 v1(65.97,54.4) ; UT119.2 v1(63.67,79.67) ; UT44.5 v1(76.73,75.26) ; Q13.2 v1(147.99,26.83) ; C3335.2 v1(140.83,79.35) ; C3346.2 v1(71.69,52.49) ; R35.2 v1(85.45,62.09) ; UT114.5 v1(93.63,75.39)
  vias: v1(2.15,74.03) v1(2.15,59.17) v1(2.66,85.33) v1(7.23,59.42) v1(9.64,60.57) v1(9.89,92.82) v1(10.53,68.06) v1(10.66,74.28) v1(15.48,97.02) v1(24.5,49.52) v1(25.01,46.98) v1(25.9,55.49) v1(27.93,55.36) v1(28.82,55.49) v1(29.96,55.49) v1(31.23,92.32) v1(31.23,55.49) v1(36.44,97.14) v1(36.95,92.19) v1(37.2,44.69) v1(38.34,65.9) v1(39.99,92.19) v1(42.28,92.32) v1(42.91,46.34) v1(43.17,97.02) v1(43.3,54.34) v1(43.3,52.82) v1(44.06,54.34) v1(44.06,52.82) v1(44.82,52.82) v1(45.58,54.34) v1(45.58,52.82) v1(48.25,73.39) v1(48.5,92.06) v1(48.63,90.54) v1(48.76,76.44) v1(49.14,61.2) v1(49.26,64.25) v1(49.39,76.19) v1(49.77,79.62) v1(49.77,78.47) v1(49.9,61.2) v1(50.03,64.25) v1(50.66,97.27) v1(50.66,61.2) v1(50.79,64.25) v1(51.42,61.2) v1(51.42,45.96) v1(51.55,64.25) v1(51.55,48.5) v1(51.55,47.31) v1(53.07,77.33) v1(53.84,93.97) v1(54.09,97.4) v1(54.22,81.27) v1(54.22,77.33) v1(57.39,97.14) v1(57.77,48.37) v1(57.9,94.6) v1(60.19,46.22) v1(60.31,48.5) v1(64.25,97.4) v1(66.79,46.01) v1(68.06,55.99) v1(68.7,97.52) v1(72.38,37.71) v1(73.27,59.42) v1(74.16,65.27) v1(74.66,63.49) v1(74.66,37.71) v1(75.3,46.85) v1(76.7,97.4) v1(76.95,61.33) v1(80.63,34.28) v1(81.78,58.03) v1(81.9,69.96) v1(82.16,97.52) v1(82.79,67.55) v1(84.06,56.5) v1(84.32,50.66) v1(84.44,37.71) v1(85.97,56.63) v1(86.65,60.71) v1(86.86,53.58) v1(86.86,38.34) v1(87.11,97.14) v1(87.11,59.3) v1(87.36,54.47) v1(87.62,69.08) v1(88.64,59.17) v1(89.4,40.88) v1(89.4,38.98) v1(89.52,60.25) v1(89.65,56.76) v1(90.41,54.85) v1(90.72,60.69) v1(91.05,56.12) v1(91.94,61.46) v1(92.06,38.6) v1(92.19,58.79) v1(92.57,44.56) v1(92.7,41.01) v1(92.95,69.46) v1(93.08,59.8) v1(93.33,56.76) v1(94.1,52.57) v1(94.22,60.57) v1(94.22,2.91) v1(94.73,53.71) v1(94.73,11.16) v1(94.73,1.26) v1(94.86,55.11) v1(94.86,7.48) v1(96.25,5.19) v1(97.65,97.14) v1(99.3,16.12) v1(99.3,1) v1(99.56,2.65) v1(103.11,5.07) v1(104.38,7.73) v1(105.02,82.79) v1(105.32,75.97) v1(105.32,75.21) v1(105.32,74.45) v1(105.32,73.68) v1(105.27,16.24) v1(105.65,11.04) v1(106.21,75.97) v1(106.21,75.21) v1(106.21,74.45) v1(106.21,73.68) v1(106.29,2.4) v1(107.3,8.75) v1(108.07,5.58) v1(108.32,0.88) v1(108.83,11.42) v1(109.72,16.75) v1(109.89,76.22) v1(109.89,75.46) v1(109.89,74.7) v1(109.89,73.94) v1(110.78,76.22) v1(110.78,75.46) v1(110.78,74.7) v1(110.78,73.94) v1(114.67,10.78) v1(114.67,2.78) v1(115.69,6.34) v1(115.94,56.63) v1(116.07,57.26) v1(117.72,0.75) v1(118.86,96.25) v1(120.26,4.81) v1(120.31,75.97) v1(120.31,75.21) v1(120.31,74.45) v1(120.31,73.68) v1(121.2,75.97) v1(121.2,75.21) v1(121.2,74.45) v1(121.2,73.68) v1(121.91,92.57) v1(123.56,44.06) v1(123.56,43.29) v1(123.56,42.53) v1(123.56,41.77) v1(124.19,50.28) v1(124.19,49.52) v1(124.19,45.45) v1(124.96,50.28) v1(124.96,49.52) v1(124.96,45.45) v1(125.08,3.29) v1(125.34,1.38) v1(125.59,5.45) v1(125.72,49.52) v1(125.72,45.45) v1(126.35,90.16) v1(126.61,96) v1(126.86,57.24) v1(126.86,56.5) v1(128.39,56.5) v1(128.64,57.26) v1(129.66,2.91) v1(130.72,70.38) v1(133.21,51.04) v1(133.21,32.66) v1(133.95,32.69) v1(134.15,61.24) v1(134.15,60.1) v1(134.15,58.83) v1(134.23,94.48) v1(134.33,29.71) v1(134.79,46.34) v1(134.79,45.58) v1(134.79,44.82) v1(134.79,44.06) v1(134.79,43.29) v1(134.79,42.53) v1(134.79,41.77) v1(135.04,61.24) v1(135.04,60.1) v1(135.04,58.83) v1(135.07,29.71) v1(135.24,87.36) v1(135.6,46.34) v1(135.6,45.58) v1(135.6,44.82) v1(135.6,44.06) v1(135.6,43.29) v1(135.6,42.53) v1(135.6,41.77) v1(135.93,61.24) v1(135.93,60.1) v1(135.93,58.83) v1(136.01,3.54) v1(136.36,46.34) v1(136.36,45.58) v1(136.36,44.82) v1(136.36,44.06) v1(136.36,43.29) v1(136.36,42.53) v1(136.36,41.77) v1(137.02,51.93) v1(137.02,20.94) v1(137.02,20.18) v1(137.02,19.29) v1(137.02,18.53) v1(137.2,46.34) v1(137.2,44.82) v1(137.2,44.06) v1(137.2,43.29) v1(137.2,42.53) v1(137.2,41.77) v1(137.78,85.33) v1(137.91,20.94) v1(137.91,20.18) v1(137.91,19.29) v1(137.91,18.53) v1(138.04,8.5) v1(138.67,20.18) v1(138.67,19.29) v1(138.67,18.53) v1(139.05,92.82) v1(139.05,1.77) v1(139.31,88.76) v1(139.94,7.86) v1(141.97,88.76) v1(141.97,50.66) v1(142.36,52.44) v1(148.07,85.08) v1(148.07,81.78) v1(148.2,77.46)
